# KiCad board s100_ColorMagic-1.1-003.kicad_pcb (continued)
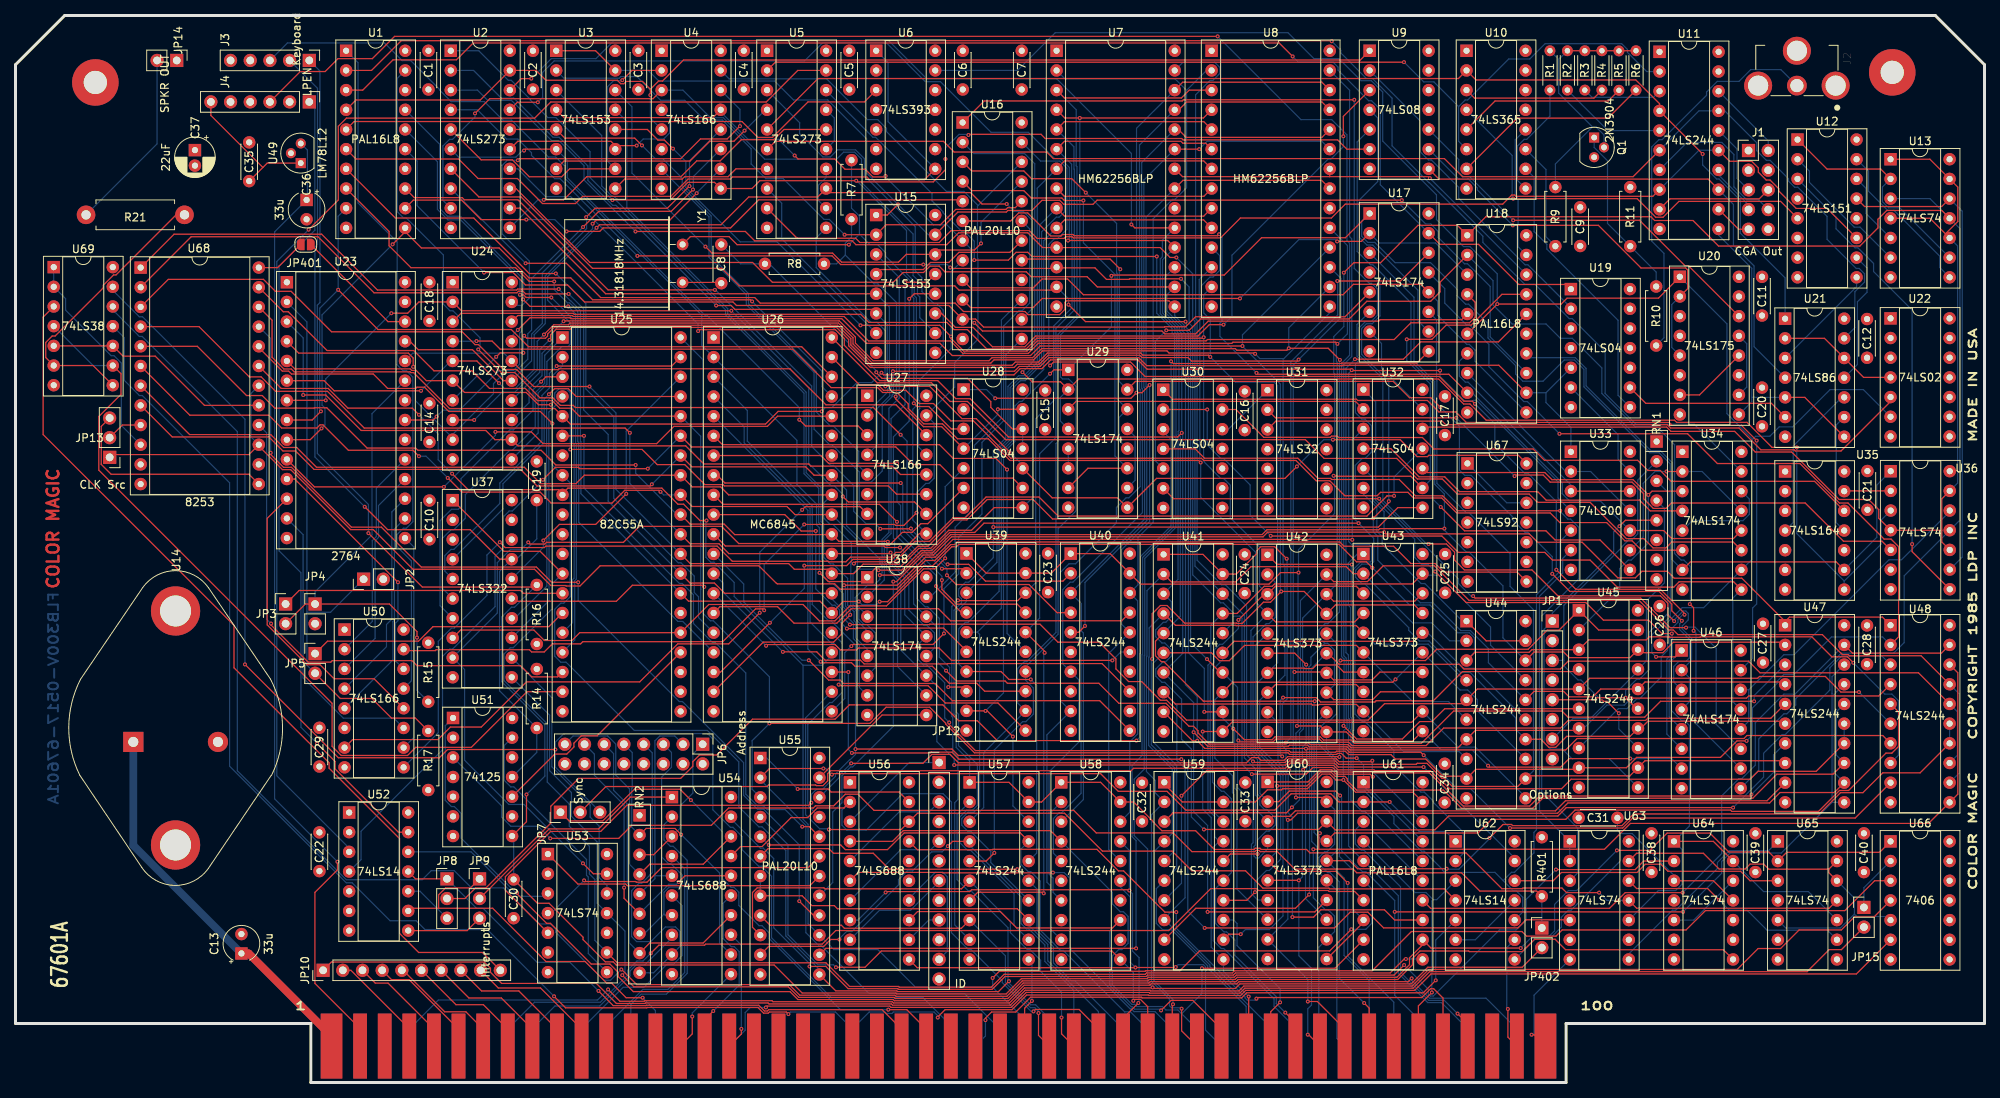
[diagram p0: board, top side]
## Routing (per net, layer and track width the routed paths; a pad name or vN(x,y) marks a point on that pad's centre or on a via; arc(x,y) is an arc through that point) (continued)
  Component w0.152: U15.4 111.61,104.92 117.12,104.92 118.03,105.83 120.4,105.83 121.71,107.14 128.28,107.14 U16.18
sINP: length 86
  Component w0.152: U56.17 116.34,30.04 126.02,30.04 126.08,30.09 139.5,30.09 142.28,27.31 142.95,27.31 148.27,21.99 v1(149.74,21.99) ; P1.46 184.15,10.89 182.94,12.1 182.54,12.1 181.41,10.97 160.22,10.97 v1(160.08,10.82)
  Copper w0.152: v1(149.74,21.99) 149.74,19.91 158.62,11.03 158.62,10.9 158.89,10.63 159.88,10.63 v1(160.08,10.82)
SL: length 170.2
  Component w0.152: v1(116.23,73.53) 114.59,71.9 113.52,71.9 113.4,72.02 v1(101.75,72.02) ; v1(96.58,60.95) 96.4,61.13 95.47,61.13 91.23,56.89 73.18,56.89 72.9,56.61 69.25,56.61 68.2,55.57 66.58,55.57 66.29,55.86 54.27,55.86 54.15,55.74 50.24,55.74 U50.15
  Copper w0.152: 124.17,113.19 U16.22 ; 124.17,113.19 124.09,113.11 124.09,106.37 124.15,106.31 124.15,95.92 121.16,92.92 121.16,89.75 117.5,86.09 118.51,85.08 118.51,77.99 117.84,77.32 117.44,77.32 116.23,76.12 v1(116.23,73.53) ; 124.17,113.19 122.35,115 120.08,115 112.36,122.72 112.36,123.13 111.23,124.26 109.9,124.26 104.64,129.53 92.06,129.53 U4.15 ; v1(101.75,72.02) 96.58,66.85 v1(96.58,60.95)
sMEMR: length 36.8
  Component w0.152: P1.47 187.33,7.59 v1(186.03,8.89)
  Copper w0.152: U61.3 172.83,32.6 172.83,30.78 173.62,29.99 173.94,29.99 178.67,25.26 178.67,14.22 182.28,10.6 184.32,10.6 v1(186.03,8.89)
sOUT: length 35.7
  Component w0.152: v1(182.71,11.62) 180.98,9.89 P1.45
  Copper w0.152: 182.87,23.59 182.71,23.43 v1(182.71,11.62) ; 182.87,23.59 183.33,23.59 U62.3 ; 182.87,23.59 181.95,24.52 180.51,24.52 U61.4
SPKR_DATA: length 106.6
  Component w0.152: U69.9 13.61,91.47 13.61,88.81 10.75,85.95 10.75,79.03 40.84,48.94 40.84,43.39 42.02,42.2 50.57,42.2 51.62,43.25 58.8,43.25 65.98,50.44 U25.19
  Copper w0.152: U69.4 10.01,92.53 U69.9
SPKR_GATE: length 67.3
  Component w0.152: v1(32.97,59.23) 32.97,59.03 37.75,54.25 40.67,54.25 40.87,54.45 51.14,54.45 51.79,53.79 65.15,53.79 66.6,52.35 69.94,52.35 U25.18
  Copper w0.152: v1(32.97,59.23) 32.39,59.8 32.39,83.84 U68.16
STR: length 156.7
  Component w0.152: U15.1 112.46,111.95 v1(113.83,113.33) ; U3.1 74.83,133.16 77.37,130.62 ; v1(178.84,113.88) 139.53,113.88 138.99,113.34 135.22,113.34 134.7,113.85 132.42,113.85 131.11,112.54 128.02,112.54 127.82,112.34 121.57,112.34 U15.15
  Copper w0.152: v1(178.84,113.88) 181.92,110.79 182.57,110.79 183.52,109.85 183.52,109.06 186.92,105.66 187.31,105.66 190.23,102.74 190.23,96.23 U18.13 ; U15.15 117.75,109.42 v1(113.83,113.33) 109.8,117.37 109.8,121.78 104.77,126.81 100.37,126.81 97.93,129.24 82.99,129.24 81.62,130.62 77.37,130.62
SYNC_SRC: length 35.7
  Component w0.152: U65.3 223.76,26.04 222.54,27.26 213.17,27.26 212.26,28.17 210.24,28.17 209.18,27.1 199.42,27.1 198.36,26.04 U62.12
U12.5: length 53.4
  Component w0.152: U12.5 227.7,113.72 214.57,113.72 212.54,111.68 211.58,111.68 209.19,114.07 v1(193.2,114.07)
  Copper w0.152: v1(193.2,114.07) 193.07,114.2 193.07,119.64 U10.4
U19.8: length 36.3
  Copper w0.152: U19.8 206.73,88.69 206.73,98.37 197.54,107.55 197.54,108.17 195.9,109.81 195.9,116.81 U10.10
U25.13: length 249.5
  Component w0.152: U37.1 63,68.55 67.68,68.55 U25.13 ; U66.3 239.83,26.04 235.98,22.19 218,22.19 215.5,19.69 199.52,19.69 198.72,18.89 194.92,18.89 194.33,19.48 180.07,19.48 175.01,14.42 157.25,14.42 156.98,14.14 145.92,14.14 145.74,13.96 127.53,13.96 125.86,12.3 114.01,12.3 113.92,12.39 107.6,12.39 104.54,15.45 77.63,15.45 U53.9
  Copper w0.152: U25.13 69.22,64.34 69.22,61.13 64.19,56.1 63.83,56.1 63.01,55.28 63.01,51.88 68.6,46.29 68.6,38.77 71.43,35.93 71.43,33.08 74.03,30.49 74.03,26.92 74.73,26.21 74.73,18.35 U53.9
U25.24: length 29.7
  Component w0.152: U51.10 69.56,42.38 71.11,42.38 72.04,43.31 72.04,43.8 72.98,44.74 75.03,44.74 U25.24
U25.25: length 83.3
  Component w0.152: U37.8 57.42,58.4 66.87,58.4 68.22,57.04 71.77,57.04 72.78,58.06 U25.25 89.43,61.69 101.58,61.69 103.7,59.58 105.7,59.58 107.64,61.51 112.36,61.51 117.14,66.3 118.58,66.3 v1(119.93,67.65)
  Copper w0.152: U28.5 119.93,76.9 v1(119.93,67.65)
U35.12: length 85.8
  Component w0.152: U35.12 235.89,73.78 232.08,77.59 213.57,77.59 212.17,78.99 210.57,78.99 209.26,80.3 197.24,80.3 195.78,81.76 182.97,81.76 181.49,83.24 170.69,83.24 170.52,83.42 169.76,83.42 169.61,83.27 161.03,83.27 157.44,86.86 U30.13
U35.13: length 6
  Component w0.152: U35.13 235.94,76.36 U36.2
VIDEO_EN: length 34.2
  Copper w0.152: U9.4 175.72,124.49 175.72,116.27 173.36,113.91 173.36,109.06 174.34,108.08 175.1,108.08 180.91,102.27 180.91,98.31 U17.10
VSYNC: length 129.3
  Component w0.152: U26.40 111.15,90.3 118.16,90.3 120.57,87.9 122.8,87.9 127.73,82.96 166.39,82.96 168.82,80.54 178.19,80.54 180.84,77.88 184.05,77.88 185.99,75.94 195.26,75.94 196.33,74.87 203.13,74.87 207.8,70.19 210.05,70.19 211.24,69 212.9,69 213.66,69.75 221.59,69.75 U34.11
VSYNC_OUT: length 66.3
  Component w0.152: U11.13 218.34,116.59 183.62,116.59 U9.8
  Copper w0.152: U21.4 224.28,94.96 224.28,105.38 221.62,108.04 221.62,113.32 U11.13
XTRQ: length 121.1
  Component w0.152: v1(81.94,16.68) 82.99,17.72 88.89,17.72 89.03,17.86 104.06,17.86 105.81,19.61 148.77,19.61 154.19,25.03 160.08,25.03 160.33,24.78 169.34,24.78 169.46,24.66 172.75,24.66 U61.7
  Copper w0.152: 63.5,4.7 63.5,6.91 66.95,10.36 75.45,10.36 78.96,13.87 78.96,14.47 80.17,15.68 80.95,15.68 v1(81.94,16.68)
Net-(C8-Pad1): length 51.9
  Component w0.152: U28.12 128.59,84.35 125.81,87.13 125.81,87.87 122.81,90.87 111.79,90.87 111.04,91.62 v1(111.04,91.66)
  Copper w0.152: C8.1 93.55,105.66 R8.2 97.25,105.66 111.04,91.86 v1(111.04,91.66) ; U28.12 U28.11
Net-(C8-Pad2): length 5
  Component w0.152: Y1.2 90.94,103.25 C8.2
Net-(C31-Pad1): length 43.9
  Component w0.152: U64.11 219.03,26.04 U64.3
  Copper w0.152: 207.04,32.13 207.04,28.61 200.66,22.23 200.32,22.23 199.41,21.33 199.41,20.05 197.86,18.49 196.01,18.49 U62.8 ; 207.04,32.13 208.54,32.13 213.95,26.73 U64.3 ; 207.04,32.13 206.65,32.53 C31.1
Net-(J2-Pad2): length 50.7
  Copper w0.152: J2.2 227.74,130.72 223.84,130.72 222.33,129.2 219.53,129.2 218.14,127.82 218.14,127.41 212.42,121.68 212.01,121.68 211.07,120.74 211.07,108.59 212.65,107.01 212.65,96.12 R10.2
Net-(J4-Pad1): length 104.1
  Component w0.152: v1(38.9,43.77) 41.23,41.44 41.23,40.47 49.39,32.31 U52.13
  Copper w0.152: J4.1 38.61,125.84 38.61,109.99 34,105.38 34,68.6 36.82,65.78 36.82,45.84 v1(38.9,43.77)
Net-(JP1-Pad1): length 51.6
  Component w0.152: v1(206.91,71.8) 207.68,72.56 RN1.5
  Copper w0.152: v1(206.91,71.8) 206.17,71.05 206.17,68.49 198.25,60.58 JP1.1 197.18,58.49 197.18,43.86 198,43.04 199.52,43.04 200.77,41.79 205.59,41.79 U45.11
Net-(JP1-Pad3): length 48.2
  Component w0.152: v1(206.83,47.66) 205.29,49.2 v1(204.64,49.2)
  Copper w0.152: v1(206.83,47.66) 206.83,45.63 U45.13 ; 199.74,54.47 199.74,61.59 207.19,69.04 207.19,69.12 208.16,70.09 208.55,70.09 209.27,70.82 209.27,77.75 RN1.2 ; 199.74,54.47 JP1.3 ; 199.74,54.47 199.74,53.78 201.57,51.95 201.93,51.95 204.64,49.24 v1(204.64,49.2)
Net-(JP1-Pad5): length 42.8
  Component w0.152: JP1.5 203.7,49.4 203.97,49.66 v1(207.7,49.66) 209.12,48.24 U45.15
  Copper w0.152: v1(207.7,49.66) 207.7,50.61 209.14,52.05 209.5,52.05 210.73,53.28 210.73,58.11 213.14,60.52 213.14,76.2 RN1.3
Net-(JP1-Pad7): length 38.5
  Copper w0.152: RN1.4 212.71,74.09 212.71,64.48 210.38,62.16 210.38,54.4 U45.17 209.3,53.11 203.16,46.97 200.91,46.97 JP1.7
Net-(JP2-Pad1): length 76.2
  Component w0.152: R17.2 51.59,47.03 48.51,47.03 45.97,49.56 41.9,49.56 JP5.2
  Copper w0.152: U23.2 37.59,98.16 37.59,60.69 ; 37.59,60.69 40.64,60.69 JP2.1 ; 37.59,60.69 37.59,53.87 JP5.2
Net-(JP3-Pad2): length 62.8
  Component w0.152: JP3.2 37.38,61.75 JP4.1 48.24,61.75 51.79,58.2 v1(51.79,57.42)
  Copper w0.152: JP4.1 38.65,63.32 45.99,70.66 45.99,86.32 U23.23 ; v1(51.79,57.42) 51.79,50.6 R15.2
Net-(JP6-Pad1): length 18.7
  Component w0.152: RN2.3 82.32,29.4 U54.3
  Copper w0.152: U54.3 85.74,32.82 85.74,35.71 87.38,37.34 87.38,42.38 JP6.1
Net-(JP6-Pad3): length 27.1
  Copper w0.152: 82.48,26.68 82.48,44.09 83.1,44.72 85.04,44.72 JP6.3 ; 82.48,26.68 82.48,26.3 RN2.5 ; 82.48,26.68 U54.5
Net-(JP6-Pad5): length 31.2
  Copper w0.152: 83.65,21.74 81.15,19.24 RN2.7 ; 83.65,21.74 83.65,24.55 84.33,25.23 85.59,25.23 86.02,25.66 86.02,26.76 84.57,28.21 84.26,28.21 83.34,29.13 83.34,39.4 84.62,40.68 84.62,42.6 JP6.5 ; 83.65,21.74 83.8,21.6 U54.7
Net-(JP6-Pad7): length 42.7
  Copper w0.152: JP6.7 82.14,42.54 82.14,27.08 80.78,25.72 80.44,25.72 79.48,24.77 79.48,18.84 80.13,18.19 81.95,18.19 83.83,20.07 85.14,20.07 85.71,19.5 85.71,17.55 U54.9 82.32,14.16 RN2.9
Net-(JP6-Pad9): length 36.8
  Component w0.152: RN2.2 81.35,32.79 85.07,32.79 v1(85.87,31.99)
  Copper w0.152: JP6.9 79.56,42.58 79.56,38.03 79.49,37.97 79.49,32.95 RN2.2 ; v1(85.87,31.99) 90.82,27.04 90.82,18 U54.12
Net-(JP6-Pad11): length 42.7
  Component w0.152: RN2.8 81.8,18 88.7,18 U54.14
  Copper w0.152: JP6.11 77.15,42.45 77.15,37.71 78.93,35.93 78.93,25.7 79.19,25.44 79.19,18.01 RN2.8
Net-(JP6-Pad13): length 38.7
  Component w0.152: v1(85.56,25.87) 86.37,26.68 U54.16 ; RN2.6 78.51,23.77 v1(78.51,25.14)
  Copper w0.152: v1(85.56,25.87) 85.27,25.59 84.28,25.59 80.5,21.81 RN2.6 ; JP6.13 74.68,42.38 74.68,39.65 78.51,35.81 v1(78.51,25.14)
Net-(JP6-Pad15): length 39.4
  Component w0.152: RN2.4 81.82,28.18 88.72,28.18 U54.18
  Copper w0.152: JP6.15 71.93,44.72 76.39,44.72 77.43,43.68 77.43,39.67 79.21,37.89 79.21,28.15 RN2.4
Net-(JP7-Pad2): length 129.2
  Component w0.152: JP7.2 76.16,38.2 96.94,38.2 97.14,38.4 103.22,38.4 103.3,38.32 104.16,38.32 104.78,38.93 104.78,39.86 105.16,40.24 143.92,40.24 144.24,40.56 163.82,40.56 164.48,41.22 170.14,41.22 170.64,40.71 v1(181.64,40.71)
  Copper w0.152: v1(181.64,40.71) 193.4,28.96 U62.13
Net-(JP8-Pad2): length 145.3
  Component w0.152: v1(144.6,44.13) 126.64,44.13 124.08,46.69 121.67,46.69 119.62,48.74 107.56,48.74 105.72,46.89 95.07,46.89 90.45,42.27 88.23,42.27 87.38,41.41 87.38,40.82 85.81,39.25 72.65,39.25 69.05,35.65 69.05,33.48 60.68,25.11 59.35,25.11 57.98,23.75 JP8.2
  Copper w0.152: U30.3 148.05,83.99 149.06,82.98 149.06,71.81 145.11,67.87 145.11,55.39 145.04,55.32 145.04,44.57 v1(144.6,44.13)
Net-(JP8-Pad3): length 6.4
  Copper w0.152: JP8.3 52.18,24.69 U52.10
Net-(JP9-Pad2): length 30.2
  Component w0.152: JP9.2 68.84,32.73 75.22,32.73 79.33,36.84 U54.1
Net-(JP9-Pad3): length 9.9
  Component w0.152: U52.8 58.26,19.6 JP9.3
Net-(JP12-Pad1): length 14.7
  Copper w0.152: JP12.1 115.28,41.29 U56.3
Net-(JP12-Pad3): length 14.7
  Copper w0.152: U56.5 114,34.93 117.86,34.93 JP12.3
Net-(JP12-Pad5): length 14.7
  Copper w0.152: U56.7 114.19,30.05 118.06,30.05 JP12.5
Net-(JP12-Pad7): length 14.7
  Copper w0.152: 107.65,18.42 111.46,22.23 115.46,22.23 119.15,25.91 JP12.7
Net-(JP12-Pad9): length 4.9
  Copper w0.152: JP12.9 117.82,20.97 115.27,18.42
Net-(JP12-Pad11): length 17.9
  Copper w0.152: JP12.11 120.2,16.95 120.2,26.56 119.63,27.13 118.65,27.13 115.27,23.75 U56.14
Net-(JP13-Pad1): length 206.5
  Component w0.152: U67.8 193.7,65.87 184.26,65.87 183.15,66.98 180,66.98 177.77,69.21 171.38,69.21 170.84,69.75 121.45,69.75 121.13,69.42 120.65,69.42 118.6,67.38 117.39,67.38 113.69,63.67 106.36,63.67 105.67,64.35 98.26,64.35 98.2,64.42 98.16,64.42 95.9,66.68 75.42,66.68 72.81,64.08 71.04,64.08 70.98,64.14 69.05,64.14 66.95,66.24 51.27,66.24 46.15,71.35 43.24,71.35 35.49,79.1 34.43,79.1 31.3,82.23 ; U68.15 31.3,82.23 ; 31.3,82.23 30.12,81.04 12.51,81.04 JP13.1
  Copper w0.152: U68.15 30.37,83.33 30.37,88.91 U68.18
Net-(JP13-Pad2): length 4.7
  Component w0.152: 12.15,83.22 13.78,84.85 U68.9
Net-(JP13-Pad3): length 27.8
  Component w0.152: JP13.3 11.06,84.67 11.06,79.78 12.33,78.5 30.12,78.5 U68.13
Net-(JP14-Pad2): length 23.7
  Copper w0.152: R21.2 18.26,121.14 JP14.2
Net-(JP15-Pad1): length 7.4
  Copper w0.152: U66.2 238.45,25.15 JP15.1
Net-(JP401-Pad1): length 16.3
  Component w0.152: JP401.1 48.05,98.2 U23.26
Net-(JP402-Pad1): length 157.7
  Component w0.152: R401.1 196.23,24.7 188.9,24.7 186.54,27.07 173.02,27.07 172.54,27.54 165.03,27.54 162.77,29.79 160.58,29.79 160.42,29.95 160.04,29.95 159.89,29.79 151.76,29.79 149.34,32.21 139.42,32.21 136.51,35.12 110.76,35.12 108.67,37.21 107.04,37.21 105.54,35.71 103.2,35.71 102.91,35.42 91.99,35.42 89.76,33.19 79.5,33.19 77.82,31.51 v1(68.98,31.51)
  Copper w0.152: v1(68.98,31.51) 67.42,33.07 63.9,33.07 62.72,34.25 62.72,35.69 U51.3 ; JP402.1 R401.1
Net-(Q1-Pad1): length 22.5
  Copper w0.152: Q1.1 203.65,120.69 205.37,118.96 205.37,110.87 R11.2 211.65,104.59 R10.1
Net-(Q1-Pad2): length 35.8
  Component w0.152: R6.2 206.87,133.16 R5.2 206.83,133.16 R4.2 R3.2 R2.2
  Copper w0.152: R9.2 198.65,118.55 203.43,123.33 ; 203.43,123.33 199.07,127.68 199.07,132.03 ; 203.43,123.33 203.88,123.33 204.92,122.29 Q1.2 ; 199.07,132.03 R2.2 ; 199.07,132.03 R1.2
Net-(R1-Pad1): length 15.1
  Copper w0.152: R1.1 197.95,124.72 194.95,121.72 194.62,121.72 193.75,120.85 193.75,116.43 U10.9
Net-(R2-Pad1): length 14
  Copper w0.152: U11.5 205.42,122.86 R2.1
Net-(R3-Pad1): length 10.3
  Copper w0.152: R3.1 203.37,127.15 211.29,127.15 U11.3
Net-(R4-Pad1): length 18.3
  Component w0.152: R4.1 203.61,127.04 188.21,127.04 U10.3
Net-(R5-Pad1): length 21.8
  Component w0.152: R5.1 205.46,126.67 190.86,126.67 U10.5
Net-(R6-Pad1): length 26.1
  Component w0.152: R6.1 205.43,124.46 193.72,124.46 U10.7
Net-(R7-Pad1): length 67.3
  Component w0.152: v1(115.88,87.66) 116.3,87.24 117.83,87.24 120.71,84.35 U28.3 ; Y1.1 87.07,109.17 92.04,109.17 93.09,108.13 v1(107.51,108.13)
  Copper w0.152: R7.1 107.84,112.84 108.87,111.82 108.87,109.49 ; 108.87,109.49 110.21,108.14 111.19,108.14 112.25,107.09 112.25,106.64 115.65,103.24 115.65,101.44 115.88,101.21 v1(115.88,87.66) ; 108.87,109.49 v1(107.51,108.13)
Net-(R7-Pad2): length 51.3
  Component w0.152: v1(126.72,86.89) 129.92,86.89 U28.13 ; U28.4 119.47,84.64 117.13,84.64 113.54,88.22 v1(113.54,88.53)
  Copper w0.152: 107.05,106.79 107.05,108.32 107.84,109.12 R7.2 ; 107.05,106.79 105.91,105.66 R8.1 ; 107.05,106.79 110.77,103.06 111.25,103.06 113.65,100.67 113.65,88.64 v1(113.54,88.53) ; U28.4 126.72,86.23 v1(126.72,86.89)
Net-(R9-Pad1): length 14.1
  Copper w0.152: R9.1 197.43,109.15 197.43,117.83 U10.11
Net-(R21-Pad1): length 37
  Component w0.152: U69.8 10.01,92.53 U69.6 3.9,93.56 3.9,95.51 4.73,96.34 5.11,96.34 11.33,102.56 11.33,102.9 12.65,104.22 12.97,104.22 20.72,111.98 R21.1
Net-(U12-Pad1): length 29.1
  Component w0.152: U13.2 240.61,117.89 233.69,117.89 U12.1
  Copper w0.152: U13.9 243.07,112.89 241.63,112.89 240.84,113.68 240.84,115.57 U13.2
Net-(U12-Pad2): length 18.1
  Copper w0.152: U12.2 231.42,117.62 231.42,116.17 237.19,110.39 237.94,110.39 U13.6
Net-(U12-Pad3): length 61.3
  Component w0.152: v1(244.66,69.48) 244.66,68.51 U36.8
  Copper w0.152: U12.3 234.84,111.65 234.84,110.18 237.3,107.72 237.67,107.72 239.69,105.7 239.69,104.66 244.66,99.69 v1(244.66,69.48)
Net-(U12-Pad9): length 14.2
  Copper w0.152: U21.3 237.5,102.72 U12.9
Net-(U12-Pad10): length 17.3
  Copper w0.152: U12.10 238.85,105.11 238.85,101.99 237.6,100.75 237.6,92.66 U21.11
Net-(U12-Pad13): length 62.1
  Component w0.152: U13.12 248.48,113.05 238.52,113.05 U12.13
  Copper w0.152: U13.12 251.13,112.44 251.13,67.81 U36.9
Net-(U12-Pad14): length 9.4
  Copper w0.152: U12.14 238.73,115.39 238.73,112.15 U13.5
Net-(U12-Pad15): length 20.7
  Copper w0.152: U13.8 248.23,105.19 248.23,106.64 242.3,112.57 241.5,112.57 239.04,115.03 239.04,117.62 U12.15
Net-(U15-Pad11): length 78.4
  Component w0.152: U15.11 119.45,99.25 121.25,97.45 123.53,97.45 126.03,94.95 130.22,94.95 131.6,96.34 152.53,96.34 154,97.8 v1(155.83,97.8) ; U9.3 171.29,124.69 v1(171.29,122.11)
  Copper w0.152: v1(171.29,122.11) 171.29,120.78 169.7,119.19 169.34,119.19 156.92,106.77 156.92,98.89 v1(155.83,97.8)
Net-(U17-Pad7): length 12.8
  Copper w0.152: U17.7 176.22,95.38 176.22,92.17 U32.13
Net-(U19-Pad6): length 14
  Copper w0.152: U33.13 206.73,80.39 206.73,83.61 U19.6
Net-(U19-Pad9): length 21.6
  Component w0.152: U19.9 210.31,87.65 226.51,87.65 U21.6
Net-(U20-Pad2): length 52.3
  Component w0.152: v1(193.15,110.62) 204.19,110.62 209.69,105.12 215.45,105.12 215.71,104.86 215.71,102.45 U20.2
  Copper w0.152: U20.5 213.66,94.86 213.66,100.4 U20.2 ; U9.9 186.15,116.6 187.42,116.6 188.58,115.45 188.58,115.19 v1(193.15,110.62)
Net-(U20-Pad10): length 8.5
  Copper w0.152: U20.13 223.33,95.35 223.33,89.75 222.32,88.74
Net-(U20-Pad12): length 9.7
  Component w0.152: U20.12 217.24,88.74 214.7,88.74
Net-(U20-Pad14): length 51
  Component w0.152: v1(193.2,111.28) 209.49,111.28 215.34,105.43 215.79,105.43 U20.14
  Copper w0.152: U9.10 186.17,119.12 186.17,117.5 186.76,116.91 187.57,116.91 v1(193.2,111.28)
Net-(U21-Pad9): length 15.5
  Copper w0.152: U21.9 234.88,84.86 234.88,72.26 U35.11
Net-(U21-Pad10): length 20.5
  Copper w0.152: U21.10 235.59,88.42 229.32,82.15 229.32,72.28 U35.4
Net-(U21-Pad12): length 15.7
  Component w0.152: U21.2 233.36,96.04 U21.12 238.4,91 U22.4
Net-(U22-Pad5): length 85.6
  Component w0.152: U31.3 162.59,85.36 184.04,85.36 184.5,84.89 213.09,84.89 213.51,84.47 222.33,84.47 225.15,81.65 229.44,81.65 229.59,81.5 235.49,81.5 241.88,87.89 U22.5
Net-(U25-Pad1): length 41.1
  Copper w0.152: U37.6 55.08,63.77 55.08,70.24 56.19,71.34 56.55,71.34 58.03,72.82 58.03,75.87 63.75,81.6 64.09,81.6 67.04,84.55 67.04,89.02 68.27,90.24 68.27,93.86 U25.1
Net-(U25-Pad2): length 36.7
  Copper w0.152: U37.14 64.4,59.92 68.55,64.06 68.55,70.14 68.52,70.17 68.52,87.88 69.27,88.63 69.27,91.21 70.56,92.5 U25.2
Net-(U25-Pad3): length 40.4
  Component w0.152: U25.3 68.43,91.08 v1(67.81,90.45)
  Copper w0.152: U37.7 54.77,61.54 54.77,72.5 56.26,73.98 57.12,73.98 57.48,74.34 57.48,77.94 63.77,84.23 64.24,84.23 66.76,86.75 66.76,89.4 v1(67.81,90.45)
Net-(U25-Pad4): length 33.9
  Copper w0.152: U37.13 68.83,62.19 68.83,70.26 68.8,70.29 68.8,86.53 70.56,88.29 U25.4
Net-(U25-Pad37): length 44.1
  Component w0.152: v1(68.81,88.82) 69.53,89.54 71.31,89.54 72.32,88.53 U25.37
  Copper w0.152: U37.4 62.88,74.02 62.88,77.28 68.19,82.59 68.19,88.2 v1(68.81,88.82)
Net-(U25-Pad38): length 37.8
  Component w0.152: v1(78.78,75.97) 74.84,72.03 70.16,72.03 v1(68.09,69.95)
  Copper w0.152: v1(78.78,75.97) 78.78,84.06 U25.38 ; v1(68.09,69.95) 68.09,69.07 U37.16
Net-(U25-Pad39): length 50.5
  Component w0.152: U25.39 84.65,92.46 v1(69.81,92.46)
  Copper w0.152: U37.5 55.38,66.01 55.38,68 56.19,68.81 56.55,68.81 62.48,74.73 62.48,77.36 67.91,82.8 67.91,88.67 68.87,89.62 68.87,91.52 v1(69.81,92.46)
Net-(U25-Pad40): length 59.4
  Component w0.152: v1(88.85,63.96) 88.64,64.17 79.57,64.17 77.51,62.11 64.36,62.11 U37.15
  Copper w0.152: U25.40 88.67,93.28 88.67,64.14 v1(88.85,63.96)
Net-(U28-Pad6): length 119.3
  Component w0.152: v1(66.15,69.71) 66.37,69.49 68.28,69.49 68.5,69.71 78.42,69.71 80.48,71.77 91.08,71.77 93.29,69.56 112.11,69.56 112.34,69.33 112.72,69.33 114.4,71 115.67,71 116.78,72.12 117.69,72.12 U28.6 ; v1(73.2,28.28) 74.55,26.94 U53.13
  Copper w0.152: v1(66.15,69.71) 65.24,68.81 63.86,68.81 62.15,67.09 62.15,60.59 U37.9 57.93,53.3 57.93,41.59 63.64,35.88 65.61,35.88 v1(73.2,28.28)
Net-(U30-Pad1): length 109.7
  Component w0.152: v1(224.61,82.84) 222.64,84.82 213.71,84.82 213.33,85.19 187.15,85.19 185.8,86.54 183.61,86.54 182.13,88.02 173.14,88.02 172.97,88.18 149.26,88.18 U30.1
  Copper w0.152: U46.15 224.09,54.76 224.09,61.24 224.61,61.76 v1(224.61,82.84)
Net-(U30-Pad4): length 107.8
  Component w0.152: v1(199.26,73.79) 186.03,73.79 184.1,75.71 180.61,75.71 178.5,77.82 169.79,77.82 169.64,77.97 168.02,77.97 165.43,80.57 153.38,80.57 152.17,81.78 U30.4
  Copper w0.152: U63.3 201.54,27.08 201.54,32.84 196.88,37.5 196.88,60.22 201.69,65.03 201.69,71.63 200.6,72.71 200.26,72.71 199.26,73.7 v1(199.26,73.79)
Net-(U30-Pad12): length 7.9
  Copper w0.152: U30.12 156.47,84.31 U31.1
Net-(U31-Pad2): length 89
  Component w0.152: U31.2 162.53,85.79 v1(185.86,85.79) ; v1(193.38,78.26) 193.52,78.4 197.07,78.4 197.98,77.48 208.54,77.48 210.04,75.98 210.04,75.33 211.28,74.09 212.92,74.09 213.61,74.79 230.87,74.79 235.81,69.85 240.78,69.85 U36.5
  Copper w0.152: v1(193.38,78.26) v1(185.86,85.79)
Net-(U32-Pad4): length 44.5
  Component w0.152: U34.4 210.87,73.78 209.49,75.15 197.46,75.15 196.36,76.26 186.28,76.26 184.37,78.17 181.06,78.17 177.41,81.81 U32.4
Net-(U32-Pad6): length 32
  Component w0.152: U44.1 189.72,57 U44.19
  Copper w0.152: U44.1 186.66,59.54 181.81,64.39 181.32,64.39 176.3,69.42 176.3,70.45 175.61,71.14 175.61,74.21 173.88,75.94 U32.6
Net-(U33-Pad6): length 43.4
  Copper w0.152: U63.2 U63.1 196.59,35.03 196.59,62.75 199.59,65.75 199.59,67.64 U33.6
Net-(U33-Pad8): length 81.8
  Component w0.152: U33.8 204.4,70.02 198.6,70.02 197.42,71.2 186.93,71.2 v1(183.86,74.27)
  Copper w0.152: v1(183.86,74.27) 182.79,75.34 182.79,90.3 180.02,93.08 180.02,100.62 175.1,105.54 174.79,105.54 173.07,107.26 173.07,121.39 U9.5
Net-(U33-Pad9): length 24.8
  Component w0.152: U34.2 v1(212.97,78.86)
  Copper w0.152: U33.9 209.97,70.4 209.97,77.33 211.49,78.86 v1(212.97,78.86) ; U34.13 217.56,78.86 U34.2
Net-(U34-Pad14): length 12.9
  Copper w0.152: U34.14 223.66,75.3 223.66,73.33 222.84,72.5 216.3,72.5 U34.5
Net-(U37-Pad11): length 194
  Component w0.152: v1(78.27,13.85) 79.77,12.35 99.68,12.35 101.05,10.98 113.33,10.98 113.48,10.83 127.99,10.83 130,12.84 146.2,12.84 146.38,13.02 157.44,13.02 157.72,13.29 178.31,13.29 180.21,15.19 180.21,16 181.17,16.97 187.46,16.97 187.54,16.89 194.37,16.89 195.96,18.48 198.62,18.48 199.97,17.13 220.31,17.13 U64.8
  Copper w0.152: v1(78.27,13.85) 78.62,14.2 78.62,19.54 U53.11 75.02,23.14 75.02,26.33 75.01,26.33 75.01,31.07 71.72,34.37 71.72,37.42 68.9,40.24 68.9,47.41 U37.11
Net-(U37-Pad12): length 35.5
  Copper w0.152: U37.12 69.19,49.66 69.19,40.75 74.13,35.81 74.13,34.25 75.29,33.09 75.29,26.44 76.3,25.44 U53.12
Net-(U51-Pad13): length 36.4
  Copper w0.152: U53.8 73.89,16.65 73.89,26.52 73.66,26.75 73.66,28.78 64.28,38.16 63.89,38.16 63.05,38.99 63.05,43.5 U51.13
Net-(U52-Pad12): length 20.6
  Copper w0.152: U52.12 58.77,29.77 64.51,24.03 68.31,24.03 U53.3
Net-(U62-Pad11): length 9.7
  Copper w0.152: U62.11 188.31,18.42 185.78,18.42
Net-(U63-Pad8): length 26.4
  Copper w0.152: U65.1 226.15,29.92 221.08,29.92 219.55,28.4 219.55,27.63 214.16,22.23 213.74,22.23 208.12,16.61 U63.8
Net-(U63-Pad12): length 30
  Component w0.152: v1(219.76,23.56) 218.28,25.03 209.13,25.03 U63.12
  Copper w0.152: 234.97,18.42 233.73,19.66 225.95,19.66 223.38,22.23 221.08,22.23 v1(219.76,23.56)
Net-(U63-Pad13): length 52.3
  Component w0.152: U63.13 209.13,29.59 217.73,29.59 219.77,27.55 223.12,27.55 223.76,28.19 225.51,28.19 226.17,27.53 233.91,27.53 ; U65.12 233.91,27.09 233.91,27.53 ; 233.91,27.53 U65.13
  Copper w0.152: 237.21,21.73 237.52,21.42 241.42,21.42 U66.5 ; 237.21,21.73 235.42,19.94 228.37,19.94 U65.5 ; 237.21,21.73 237.21,23.79 U65.12
Net-(U64-Pad12): length 9.7
  Copper w0.152: U64.12 216.49,20.96 U64.5
Net-(U67-Pad1): length 9.7
  Copper w0.152: U67.12 192.38,74.81 U67.1
Net-(U68-Pad10): length 27.8
  Copper w0.152: U68.10 13.65,84.8 13.65,92.85 12.71,93.8 12.34,93.8 6.47,99.67 6.47,101.15 U69.2 U69.1
Net-(U68-Pad17): length 29.6
  Component w0.152: U68.17 24.37,87.39 18.02,93.74 13.88,93.74 U69.10 U69.5

## Copper pours and planes (outline as drawn; the poured copper is in the pictures)
GND on In2.Cu: 237.7,125.86 252.7,125.86 252.5,9.88 1.7,9.88 1.7,124.45 14.9,124.45 14.9,136.15 237.7,136.25
VCC on In1.Cu: 237.65,125.86 252.65,125.86 252.45,9.88 1.65,9.88 1.65,124.45 14.85,124.45 14.85,136.15 237.65,136.25

## Text on the board
Copper: FLB300V-0517-67601A
Component: COLOR MAGIC
F.Silkscreen: 1 | 100 | MADE IN USA | COPYRIGHT 1985 LDP INC | COLOR MAGIC | 67601A
